# Altium PCB Copy of Hrafn425.PcbDoc (part 3 of 3)
Units mm, origin at the board's own origin, x right, y up, seen from the top; angles counter-clockwise.
Board outline 85 x 94.73 mm, 6 copper layers (Top Layer, Layer 1, Layer 3, Layer 4, Layer 2, Bottom Layer), stack 1.227 mm thick; 383 components, 228 nets, 1233 pads, 98 vias.
Unrouted connection lines stored in the file: 808.
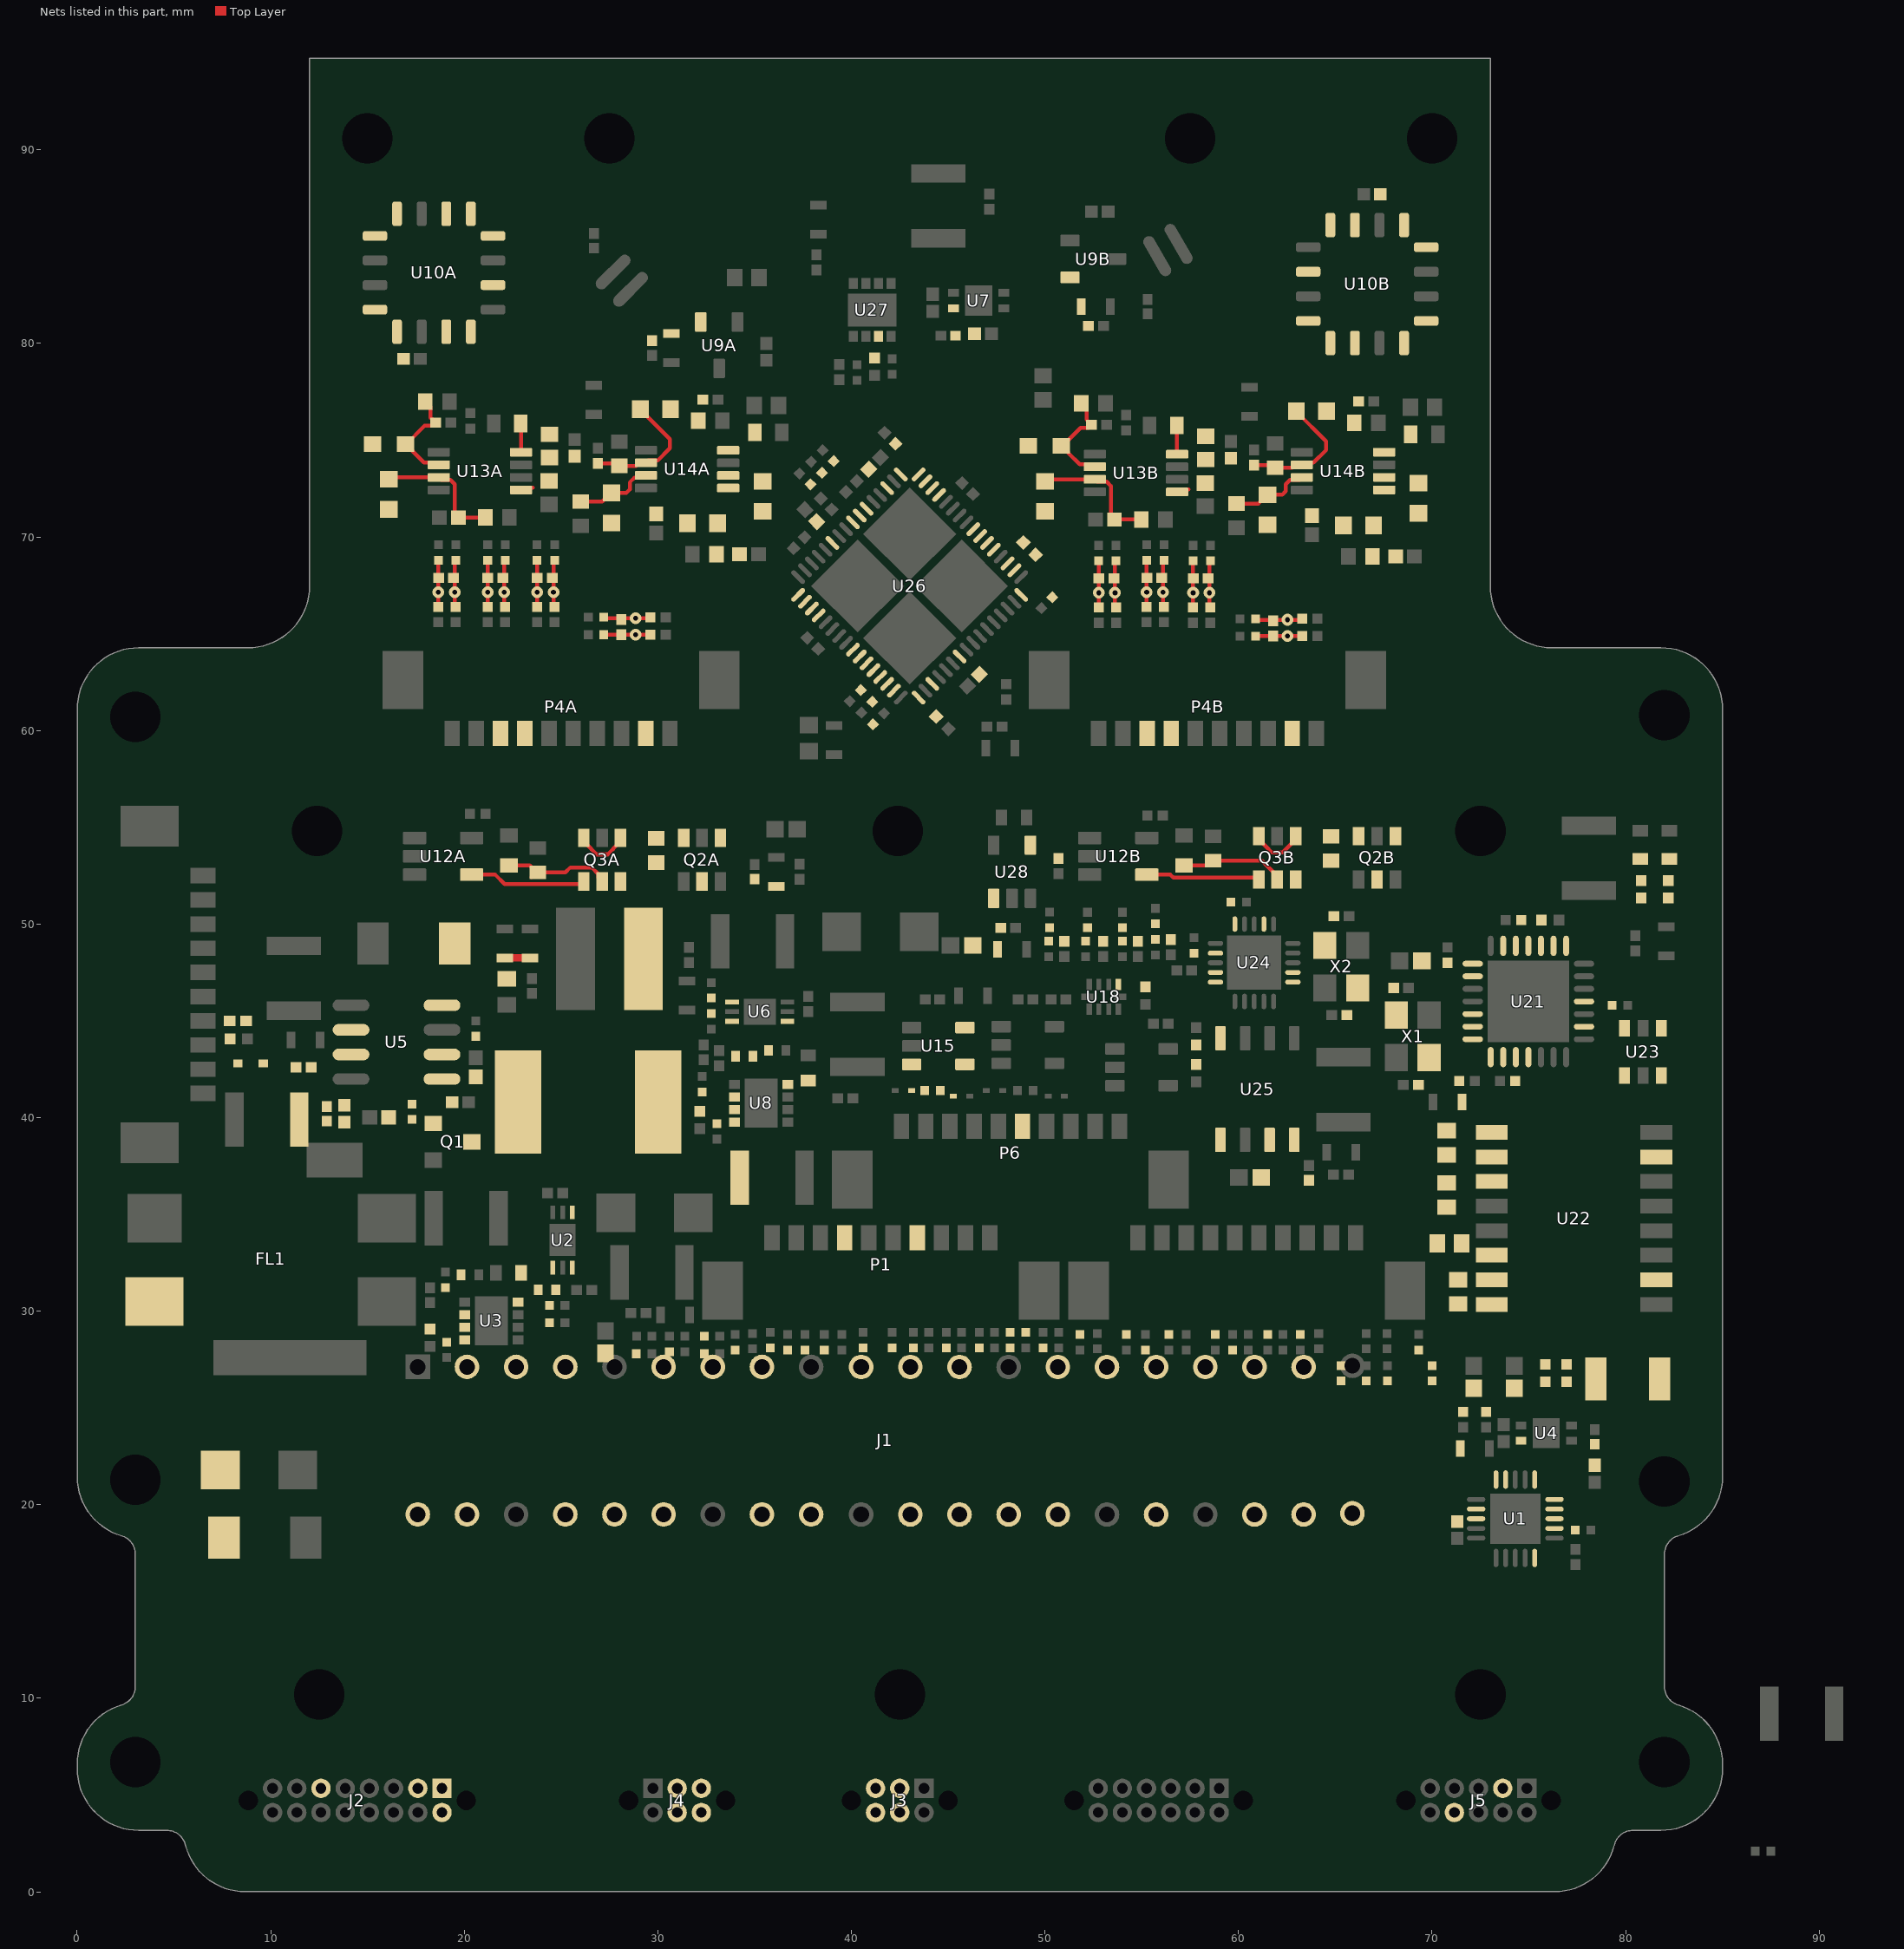
[diagram p5: the nets of this part, all layers, seen from the top]

## Via types
v1: diameter 0.61, hole 0.254, Top Layer to Bottom Layer, 38 vias
v2: diameter 0.6, hole 0.25, Top Layer to Bottom Layer, 36 vias
v3: diameter 0.5, hole 0.2, Top Layer to Bottom Layer, 24 vias

## Nets (pads, with @x,y where several pads share a name; then routed paths per layer and width w, separated by ;. In a path a pad name is that pad's centre, name@x,y a point inside that pad or via, vN(x,y) a via of type N, cw(c..) or ccw(c..) an arc to the next point about the centre after c; other vN are vias at no path point) (continued)
NetC10_2: C10.2 U1.7
NetC11_1: C11.1 U1.8
NetC19_1: C19.1 R63.2
NetC24_1: C24.1 D5.1 L1.1 U5.8
NetC24_2: C24.2 D4.1 U5.2
NetC25_1: C25.1 D4.2 L1.2 L2.1 R68.2 R76.1
NetC29_2: C29.2 Q1.3 R69.2 U5.5
NetC30_2: C30.2 R69.1
NetC31_1: C31.1 Q1.1 R77.2
NetC31_2: C31.2 R76.2
NetC32_2: C32.2 C36.2 FB4.2 U28.1
NetC42_2: C42.2 U28.4
NetC44A_1: C44A.1 Q2A.4 Q2A.6
NetC44B_1: C44B.1 Q2B.4 Q2B.6
NetC47A_1: C47A.1 R85A.1 R89A.2 U13A.2 | length 5.5
  Top Layer w0.203: R89A.2@16.96,74.8 R89A.2@17.01,74.8 ; R85A.1@17.985,77 18.258,76.727 18.258,76.162 18.342,76.078 18.342,76.058 18.5,75.9 C47A.1@18.52,75.9 18.362,75.742 17.952,75.742 R89A.2@17.01,74.8 ; U13A.2@18.685,73.725 18.562,73.848 17.912,73.848 17.308,74.452 17.308,74.502 R89A.2@17.01,74.8
NetC47B_1: C47B.1 R85B.1 R89B.2 U13B.2 | length 5.5
  Top Layer w0.203: R89B.2@50.85,74.7 R89B.2@50.9,74.7 ; R85B.1@51.875,76.9 52.148,76.627 52.148,76.062 52.232,75.978 52.232,75.958 52.39,75.8 C47B.1@52.41,75.8 52.252,75.642 51.842,75.642 R89B.2@50.9,74.7 ; U13B.2@52.575,73.625 52.452,73.748 51.802,73.748 51.198,74.352 51.198,74.402 R89B.2@50.9,74.7
NetC48A_1: C48A.1 R86A.1 R90A.2 U14A.6
NetC48B_1: C48B.1 R86B.1 R90B.2 U14B.6
NetC49A_1: C49A.1 R87A.1 R91A.2 U14A.2 | length 6.8
  Top Layer w0.203: C49A.1@26.91,73.81 27.875,73.81 R87A.1@28.01,73.675 28.885,73.675 29.035,73.825 U14A.2@29.385,73.825 29.508,73.948 29.989,73.948 30.626,74.586 30.626,75.05 29.1,76.576 R91A.2@29.1,76.603
NetC49B_1: C49B.1 R87B.1 R91B.2 U14B.2 | length 6.8
  Top Layer w0.203: C49B.1@60.8,73.71 61.765,73.71 R87B.1@61.9,73.575 62.775,73.575 62.925,73.725 U14B.2@63.275,73.725 63.398,73.848 63.879,73.848 64.516,74.486 64.516,74.95 62.99,76.476 R91B.2@62.99,76.503
NetC52A_2: C52A.2 R88A.1 R95A.2 U13A.5 | length 0.7
  Top Layer w0.203: U13A.5@22.935,72.425 23.058,72.548 23.539,72.548
NetC52B_2: C52B.2 R88B.1 R95B.2 U13B.5 | length 0.7
  Top Layer w0.203: U13B.5@56.825,72.325 56.948,72.448 57.429,72.448
NetC53A_2: C53A.2 R92A.2 R98A.2 U13A.3 | length 6.8
  Top Layer w0.203: R92A.2@16.11,72.977 16.208,73.075 U13A.3@18.685,73.075 18.808,72.952 19.289,72.952 19.514,72.726 19.514,71.186 C53A.2@19.7,71 R98A.2@21.085,71
NetC53B_2: C53B.2 R92B.2 R98B.2 U13B.3 | length 6.8
  Top Layer w0.203: R92B.2@50,72.877 50.098,72.975 U13B.3@52.575,72.975 52.698,72.852 53.179,72.852 53.404,72.626 53.404,71.086 C53B.2@53.59,70.9 R98B.2@54.975,70.9
NetC54A_2: C54A.2 R93A.2 R96A.2 U14A.5
NetC54B_2: C54B.2 R93B.2 R96B.2 U14B.5
NetC55A_2: C55A.2 R94A.2 R97A.2 U14A.3 | length 4.1
  Top Layer w0.203: R97A.2@26.01,71.825 27.132,71.825 27.583,72.277 R94A.2@27.61,72.277 28.371,72.277 28.552,72.458 28.552,72.823 28.781,73.052 29.262,73.052 U14A.3@29.385,73.175
NetC55B_2: C55B.2 R94B.2 R97B.2 U14B.3 | length 4.1
  Top Layer w0.203: R97B.2@59.9,71.725 61.022,71.725 61.473,72.177 R94B.2@61.5,72.177 62.261,72.177 62.442,72.358 62.442,72.723 62.671,72.952 63.152,72.952 U14B.3@63.275,73.075
NetC64_2: C64.2 C65.2 R102.2 | length 1.2
  Top Layer w0.381: C65.2@22.165,48.25 C64.2@23.4,48.25
NetC68_2: C68.2 U21.20 X1.1
NetC69_1: C69.1 U21.19 X1.3
NetC70_2: C70.2 FB5.1 R107.1 R109.2 U22.2
NetC71_1: C71.1 U21.25
NetC72_2: C72.2 C73.2 C75.2 C76.2 FB6.1 U21.11 U21.15 U21.16 U21.21 U21.24
NetC77_2: C77.2 FB7.1 R113.1 R114.2 U22.7
NetC81_1: C81.1 R115.1 R116.1
NetC82_1: C82.1 FB8.2 U25.3
NetC83_2: C83.2 U24.7 X2.1
NetC88_2: C88.2 U24.6 X2.3
NetC102_2: C102.2 U26.23
NetC103_2: C103.2 U26.51
NetC104_2: C104.2 U26.59
NetC105_2: C105.2 U26.49
NetC110A_1: C110A.1 C111A.2 R134A.2 U26.1 | length 2.5
  Top Layer w0.203: C111A.2@53.62,66.42 v1(53.62,67.115) 53.62,67.81 C110A.1@53.565,67.865 53.62,67.92 53.62,68.71 R134A.2@53.675,68.765
  Top Layer w0.254: C111A.2@53.62,66.42 C111A.2@53.675,66.365
NetC110A_2: C110A.2 C112A.2 R133A.2 U26.2 | length 2.4
  Top Layer w0.203: C112A.2@52.775,66.365 52.78,66.37 v1(52.78,67.115) 52.78,67.86 C110A.2@52.785,67.865 52.78,67.87 52.78,68.76 R133A.2@52.775,68.765
NetC110B_1: C110B.1 C111B.2 R134B.2 U26.3 | length 2.5
  Top Layer w0.203: C111B.2@56.095,66.445 v1(56.095,67.14) 56.095,67.835 C110B.1@56.04,67.89 56.095,67.945 56.095,68.735 R134B.2@56.15,68.79
  Top Layer w0.254: C111B.2@56.095,66.445 C111B.2@56.15,66.39
NetC110B_2: C110B.2 C112B.2 R133B.2 U26.4 | length 2.4
  Top Layer w0.203: C112B.2@55.25,66.39 55.255,66.395 v1(55.255,67.14) 55.255,67.885 C110B.2@55.26,67.89 55.255,67.896 55.255,68.785 R133B.2@55.25,68.79
NetC110C_1: C110C.1 C111C.2 R134C.2 U26.9 | length 2.5
  Top Layer w0.203: C111C.2@58.495,66.42 v1(58.495,67.115) 58.495,67.81 C110C.1@58.44,67.865 58.495,67.92 58.495,68.71 R134C.2@58.55,68.765
  Top Layer w0.254: C111C.2@58.495,66.42 C111C.2@58.55,66.365
NetC110C_2: C110C.2 C112C.2 R133C.2 U26.10 | length 2.4
  Top Layer w0.203: C112C.2@57.65,66.365 57.655,66.37 v1(57.655,67.115) 57.655,67.86 C110C.2@57.66,67.865 57.655,67.87 57.655,68.76 R133C.2@57.65,68.765
NetC110D_1: C110D.1 C111D.2 R134D.2 U26.11 | length 2.5
  Top Layer w0.203: R134D.2@60.884,65.775 60.939,65.72 61.729,65.72 C110D.1@61.784,65.665 61.839,65.72 v1(62.534,65.72) C111D.2@63.229,65.72
  Top Layer w0.254: C111D.2@63.229,65.72 C111D.2@63.284,65.775
NetC110D_2: C110D.2 C112D.2 R133D.2 U26.12 | length 2.4
  Top Layer w0.203: R133D.2@60.884,64.875 60.889,64.88 61.779,64.88 C110D.2@61.784,64.885 61.789,64.88 v1(62.534,64.88) 63.279,64.88 C112D.2@63.284,64.875
NetC110E_1: C110E.1 C111E.2 R134E.2 U26.48 | length 2.5
  Top Layer w0.203: C111E.2@19.504,66.445 v1(19.504,67.14) 19.504,67.835 C110E.1@19.449,67.89 19.504,67.945 19.504,68.735 R134E.2@19.559,68.79
  Top Layer w0.254: C111E.2@19.504,66.445 C111E.2@19.559,66.391
NetC110E_2: C110E.2 C112E.2 R133E.2 U26.47 | length 2.4
  Top Layer w0.203: C112E.2@18.659,66.391 18.664,66.395 v1(18.664,67.14) 18.664,67.885 C110E.2@18.669,67.89 18.664,67.896 18.664,68.785 R133E.2@18.659,68.79
NetC110F_1: C110F.1 C111F.2 R134F.2 U26.46 | length 2.5
  Top Layer w0.203: C111F.2@22.057,66.445 v1(22.057,67.14) 22.057,67.835 C110F.1@22.002,67.89 22.057,67.945 22.057,68.735 R134F.2@22.112,68.79
  Top Layer w0.254: C111F.2@22.057,66.445 C111F.2@22.112,66.391
NetC110F_2: C110F.2 C112F.2 R133F.2 U26.45 | length 2.4
  Top Layer w0.203: C112F.2@21.212,66.391 21.217,66.395 v1(21.217,67.14) 21.217,67.885 C110F.2@21.222,67.89 21.217,67.896 21.217,68.785 R133F.2@21.212,68.79
NetC110G_1: C110G.1 C111G.2 R134G.2 U26.40 | length 2.5
  Top Layer w0.203: C111G.2@24.609,66.445 v1(24.609,67.14) 24.609,67.835 C110G.1@24.554,67.89 24.609,67.945 24.609,68.735 R134G.2@24.664,68.79
  Top Layer w0.254: C111G.2@24.609,66.445 C111G.2@24.664,66.391
NetC110G_2: C110G.2 C112G.2 R133G.2 U26.39 | length 2.4
  Top Layer w0.203: C112G.2@23.764,66.391 23.769,66.395 v1(23.769,67.14) 23.769,67.885 C110G.2@23.774,67.89 23.769,67.896 23.769,68.785 R133G.2@23.764,68.79
NetC110H_1: C110H.1 C111H.2 R134H.2 U26.38 | length 2.5
  Top Layer w0.203: R134H.2@27.21,65.85 27.265,65.795 28.055,65.795 C110H.1@28.11,65.74 28.165,65.795 v1(28.86,65.795) C111H.2@29.555,65.795
  Top Layer w0.254: C111H.2@29.555,65.795 C111H.2@29.609,65.85
NetC110H_2: C110H.2 C112H.2 R133H.2 U26.37 | length 2.4
  Top Layer w0.203: R133H.2@27.21,64.95 27.215,64.955 28.104,64.955 C110H.2@28.11,64.96 28.115,64.955 v1(28.86,64.955) 29.605,64.955 C112H.2@29.609,64.95
NetD15_2: D15.2 R112.2
NetD16_2: D16.2 R111.2
NetFB2_2: FB2.2 J1.2 J1.4
NetJ1_3: J1.3 R1.2
NetJ1_5: J1.5 R2.2
NetJ1_7: J1.7 R3.2
NetJ1_8: J1.8 R4.1
NetJ1_10: J1.10 R5.1
NetJ1_11: J1.11 R6.2
NetJ1_12: J1.12 R7.1
NetJ1_13: J1.13 R8.2
NetJ1_15: J1.15 R9.2
NetJ1_16: J1.16 R10.1
NetJ1_18: J1.18 R11.1
NetJ1_19: J1.19 R12.2
NetJ1_21: J1.21 R13.2
NetJ1_22: J1.22 R14.1
NetJ1_23: J1.23 R15.2
NetJ1_24: J1.24 R16.1
NetJ1_26: J1.26 R17.1
NetJ1_27: J1.27 R18.2
NetJ1_28: J1.28 R19.1
NetJ1_29: J1.29 R20.2
NetJ1_31: J1.31 R21.2
NetJ1_32: J1.32 R22.1
NetJ1_33: J1.33 R23.2
NetJ1_35: J1.35 R24.2
NetJ1_36: J1.36 R25.1
NetJ1_37: J1.37 R26.2
NetJ1_38: J1.38 R27.1
NetJ1_40: J1.40 R28.1
NetQ3A_1: Q3A.1 Q3A.3 U12A.4 | length 6
  Top Layer w0.203: U12A.4@20.385,52.55 21.601,52.55 22.081,52.069 26.046,52.069 Q3A.1@26.173,52.197
NetQ3B_1: Q3B.1 Q3B.3 U12B.4 | length 5.9
  Top Layer w0.203: U12B.4@55.262,52.55 56.478,52.55 56.632,52.396 60.951,52.396 Q3B.1@61.05,52.297
NetR54_1: R54.1 U1.17
NetR55_1: R55.1 R56.1 U2.4
NetR57_1: R57.1 R60.1 U3.8
NetR57_2: R57.2 U2.6
NetR58_2: R58.2 U2.1
NetR61_2: R61.2 U3.4
NetR62_2: R62.2 U3.3
NetR64_1: R64.1 R65.1 U6.4
NetR67_2: R67.2 U5.6
NetR68_1: R68.1 R70.2 U5.3
NetR71_1: R71.1 R74.1 U8.8
NetR71_2: R71.2 U6.6
NetR72_2: R72.2 U6.1
NetR73_1: R73.1 U8.2
NetR78_2: R78.2 U8.4
NetR79_2: R79.2 U8.3
NetR83A_1: R83A.1 U13A.8 | length 1.5
  Top Layer w0.203: R83A.1@22.92,75.861 22.935,75.846 U13A.8@22.935,74.375
NetR83B_1: R83B.1 U13B.8 | length 1.5
  Top Layer w0.203: R83B.1@56.81,75.761 56.825,75.746 U13B.8@56.825,74.275
NetR84A_1: R84A.1 U14A.8
NetR84B_1: R84B.1 U14B.8
NetR101_1: R101.1 U18.6
NetR103_2: R103.2 U24.17
NetR106_2: R106.2 U21.2
NetR108_2: R108.2 U21.10
NetR111_1: R111.1 U21.23
NetR112_1: R112.1 U21.22
NetR115_2: R115.2 U22.10
NetR116_2: R116.2 U22.15
NetR117_1: R117.1 R118.2 U25.8
NetR119_2: R119.2 U24.15
NetR121_1: R121.1 U26.54
NetR122_1: R122.1 U26.55
NetR123_1: R123.1 U26.56
NetR124_1: R124.1 U26.13
NetR125_1: R125.1 U26.14
NetR126_1: R126.1 U26.15
NetR127_1: R127.1 U26.17
NetR128_1: R128.1 U26.35
NetR128_2: R128.2 U26.34
NetR129_2: R129.2 U26.32
NetR132_2: R132.2 U27.3
OUTAA_N: R89A.1 U10A.10
OUTAA_P: R92A.1 U10A.16
OUTAB_N: R89B.1 U10B.10
OUTAB_P: R92B.1 U10B.16
OUTBA_N: R90A.1 U10A.4
OUTBA_P: R93A.1 U10A.12
OUTBB_N: R90B.1 U10B.4
OUTBB_P: R93B.1 U10B.12
OUTCA_N: R91A.1 U10A.9
OUTCA_P: R94A.1 U10A.13
OUTCB_N: R91B.1 U10B.9
OUTCB_P: R94B.1 U10B.13
PGOOD_5V: R59.1 U3.2
PPS: P6.6 R25.2 U15.5
PPS_N: D8.1 J3.5 J4.5 R99.1 U15.4
PPS_P: D7.1 J3.4 J4.4 R99.2 U15.3
RESETA: P4A.8 Q3A.4 Q3A.6 U10A.8 | length 2.8
  Top Layer w0.203: Q3A.6@26.173,54.447 26.173,54.272 26.569,53.876 26.569,53.866 26.835,53.6 27.411,53.6 27.677,53.866 27.677,53.876 28.073,54.272 Q3A.4@28.073,54.447
RESETB: P4B.8 Q3B.4 Q3B.6 U10B.8 | length 2.8
  Top Layer w0.203: Q3B.6@61.05,54.547 61.05,54.372 61.446,53.976 61.446,53.966 61.712,53.7 62.288,53.7 62.554,53.966 62.554,53.976 62.95,54.372 Q3B.4@62.95,54.547
RX: U24.20 U25.4
SCLK0: P1.4 R15.1 R31.2 U21.4 U24.12
SCLK1: P1.7 R28.2 R34.2 U1.15 U26.19
SETA: C44A.2 P4A.7 U10A.3 U10A.6
SETB: C44B.2 P4B.7 U10B.3 U10B.6
SGND: C4.2 C81.2 D1.2 D2.2 FL1.3 J2.1 J2.2 J2.3 J2.11 J3.3 J3.6 J4.3 J4.6 J5.3 J5.8
TEMP_1: C22.2 R66.2 U1.4 U4.2
TEMP_2: C28.2 R75.2 U1.5 U7.2
TPIN_N: R114.1 U21.8 U22.8 U23.4
TPIN_P: R113.2 U21.9 U22.6 U23.6
TPOUT_N: R109.1 U21.12 U22.3 U23.1
TPOUT_P: R107.2 U21.13 U22.1 U23.3
TX: U24.19 U25.1
VBA: C41A.2 C45A.2 C61A.2 P4A.2 R88A.2 U9A.2 U10A.1
VBB: C41B.2 C45B.2 C61B.2 P4B.2 R88B.2 U9B.2 U10B.1
VMON_A3V3: C7.2 R47.1 R51.2 U1.18
VMON_A5V: C9.2 R49.1 R53.2 U1.20
VMON_D3V3: C6.2 R46.1 R50.2 U1.19
VMON_D5V: C8.2 R48.1 R52.2 U1.1
Vsr: C39A.1 C39B.1 Q2A.2 Q2B.2 Q3A.2 Q3B.2 R81A.1 R81B.1 | length 11.8
  Top Layer w0.203: C39A.1@22.31,53.025 23.385,53.025 R81A.1@23.735,52.675 ; Q3A.2@27.123,52.197 26.925,52.395 26.925,52.579 26.578,52.926 25.481,52.926 25.23,52.675 R81A.1@23.81,52.675 ; C39B.1@57.187,53.025 58.362,53.025 58.612,53.275 R81B.1@58.687,53.275 ; R81B.1@58.65,53.275 61.206,53.275 61.604,52.877 61.604,52.868 62,52.472 Q3B.2@62,52.297 ; R81A.1@23.735,52.675 R81A.1@23.81,52.675 ; R81A.1@23.735,52.675 R81A.1@23.81,52.675 ; R81A.1@23.735,52.675 23.485,52.425 R81A.1@23.735,52.675 ; R81A.1@23.735,52.675 R81A.1@23.81,52.675
pads on no net: J1.17 J2.0 J2.4 J2.5 J2.6 J2.7 J2.8 J2.12 J2.13 J2.14 J2.15 J2.16 J3.0 J4.0 J5.0 J5.4 J5.5 J5.9 J5.10 J6.0 J6.3 J6.4 J6.5 J6.6 J6.9 J6.10 J6.11 J6.12 P3.7 P6.3 R8.1 R18.1 R19.2 U1.12 U2.5 U3.6 U4.3 U4.4 U4.5 U6.5 U7.3 U7.4 U7.5 U8.6 U10A.2 U10A.7 U10A.15 U10B.2 U10B.7 U10B.15 U12A.1 U12B.1 U18.2 U18.4 U18.7 U21.1 U21.27 U22.4 U22.5 U22.12 U22.13 U24.1 U24.2 U24.3 U24.4 U24.5 U24.9 U24.10 U24.13 U25.5 U26.7 U26.8 U26.25 U26.26 U26.27 U26.28 U26.29 U26.41 U26.42 U26.57 U26.63 U26.64 U27.6

## Polygon pours and split planes (outlines as drawn)
no net on Polygon_holding "top_solder_thermal" (none, shelved): 0.006,6.351 0.006,6.606 cw(c3.181,6.606) 2.288,9.653 ccw(c2.006,10.612) 3.006,10.612 3.006,17.44 ccw(c2.006,17.44) 2.288,18.4 cw(c3.181,21.447) 0.006,21.447 0.006,61.101 cw(c3.181,61.101) 3.181,64.276 8.831,64.276 ccw(c8.831,67.451) 12.006,67.451 12.006,94.736 73.006,94.736 73.006,67.451 ccw(c76.181,67.451) 76.181,64.276 81.831,64.276 cw(c81.831,61.101) 85.006,61.101 85.006,21.447 cw(c81.831,21.447) 82.725,18.4 ccw(c83.006,17.44) 82.006,17.44 82.006,10.612 ccw(c83.006,10.612) 82.725,9.653 cw(c81.831,6.606) 85.006,6.606 85.006,6.351 cw(c81.831,6.351) 81.831,3.176 80.384,3.176 ccw(c80.384,2.176) 79.413,2.417 cw(c76.331,3.181) 76.331,0.006 8.681,0.006 cw(c8.681,3.181) 5.6,2.417 ccw(c4.629,2.176) 4.629,3.176 3.181,3.176 cw(c3.181,6.351)
no net on Top Solder "top_solder_pour" (solid, shelved): 0,6.345 0,6.6 cw(c3.175,6.6) 2.282,9.646 ccw(c2,10.606) 3,10.606 3,17.434 ccw(c2,17.434) 2.282,18.394 cw(c3.175,21.44) 0,21.44 0,61.095 cw(c3.175,61.095) 3.175,64.27 8.825,64.27 ccw(c8.825,67.445) 12,67.445 12,94.73 73,94.73 73,67.445 ccw(c76.175,67.445) 76.175,64.27 81.825,64.27 cw(c81.825,61.095) 85,61.095 85,21.44 cw(c81.825,21.44) 82.719,18.394 ccw(c83,17.434) 82,17.434 82,10.606 ccw(c83,10.606) 82.719,9.646 cw(c81.825,6.6) 85,6.6 85,6.345 cw(c81.825,6.345) 81.825,3.17 80.378,3.17 ccw(c80.378,2.17) 79.407,2.411 cw(c76.325,3.175) 76.325,0 8.675,0 cw(c8.675,3.175) 5.594,2.411 ccw(c4.623,2.17) 4.623,3.17 3.175,3.17 cw(c3.175,6.345)
no net on Layer 2 (split plane): 335 vertices, not listed, extent 0.515,0.515 84.498,94.226
no net on Layer 1 (split plane): 335 vertices, not listed, extent 0.515,0.515 84.498,94.226

## Silkscreen, mask and mechanical layers (free items; w line width, h text height)
Top Overlay:
  lines w0.203: 18.084,64.175 20.11,64.175 20.11,70.125 18.084,70.125 18.084,64.175 ; 20.637,64.175 20.637,70.125 22.662,70.125 22.662,64.175 20.637,64.175 ; 23.189,64.175 25.214,64.175 25.214,70.125 23.189,70.125 23.189,64.175 ; 25.875,64.375 31.825,64.375 31.825,66.4 25.875,66.4 25.875,64.375 ; 52.2,64.149 52.2,70.1 54.225,70.1 54.225,64.149 52.2,64.149 ; 54.675,64.175 56.7,64.175 56.7,70.125 54.675,70.125 54.675,64.175 ; 57.075,64.149 57.075,70.1 59.1,70.1 59.1,64.149 57.075,64.149 ; 59.549,64.3 59.549,66.325 65.5,66.325 65.5,64.3 59.549,64.3
  text "E" at 18.262,65.048 h0.76 r270
  text "F" at 20.814,65.048 h0.76 r270
  text "G" at 23.367,65.048 h0.76 r270
  text "B" at 54.852,65.048 h0.76 r270
  text "A" at 52.378,65.022 h0.76 r270
  text "C" at 57.252,65.022 h0.76 r270
  text "H" at 30.952,64.552 h0.76
  text "D" at 64.627,64.478 h0.76
Top Solder:
  pour cut-out: 2,24.768 2.625,24.768 cw(c2.625,21.593) 5.8,21.593 5.8,15.808 79.2,15.808 79.2,21.593 cw(c82.375,21.593) 82.375,24.768 83,24.768 83,56.311 76,56.311 76,51.311 69,51.311 69,56.311 46,56.311 46,51.311 39,51.311 39,56.311 16,56.311 16,51.311 9,51.311 9,56.311 2,56.311
  pour cut-out: 14,58.3 14,88.16 15.46,88.16 ccw(c15.46,91.335) 18.5,90.42 24,90.42 24,87.16 31,87.16 31,90.42 54,90.42 54,87.16 61,87.16 61,90.42 66.5,90.42 ccw(c69.54,91.335) 69.54,88.16 71,88.16 71,58.3
  pour cut-out: 7,2.055 7,7.745 78,7.745 78,2.055
Board:
  lines w0.013: 82.381,24.733 83.006,24.733 ; 0.006,6.351 ccw(c3.181,6.351) 3.181,3.176 4.629,3.176 cw(c4.629,2.176) 5.6,2.417 ccw(c8.681,3.181) 8.681,0.006 76.331,0.006 ccw(c76.331,3.181) 79.413,2.417 cw(c80.384,2.176) 80.384,3.176 81.831,3.176 ccw(c81.831,6.351) 85.006,6.351 85.006,6.606 ccw(c81.831,6.606) 82.725,9.653 cw(c83.006,10.612) 82.006,10.612 82.006,17.44 cw(c83.006,17.44) 82.725,18.4 ccw(c81.831,21.447) 85.006,21.447 85.006,61.101 ccw(c81.831,61.101) 81.831,64.276 76.181,64.276 cw(c76.181,67.451) 73.006,67.451 73.006,94.736 12.006,94.736 12.006,67.451 cw(c8.831,67.451) 8.831,64.276 3.181,64.276 ccw(c3.181,61.101) 0.006,61.101 0.006,21.447 ccw(c3.181,21.447) 2.288,18.4 cw(c2.006,17.44) 3.006,17.44 3.006,10.612 cw(c2.006,10.612) 2.288,9.653 ccw(c3.181,6.606) 0.006,6.606 0.006,6.351
Vector_holding:
  circle w0.013: c3.006,6.726 r1.275
  circle w0.013: c82.006,21.236 r1.275
  circle w0.013: c82.006,6.726 r1.275
  circle w0.013: c82.006,60.736 r1.275
  circle w0.013: c15.006,90.636 r1.275
  circle w0.013: c27.506,90.636 r1.275
  circle w0.013: c57.506,90.636 r1.275
  circle w0.013: c70.006,90.636 r1.275
  circle w0.013: c72.506,54.776 r1.275
  circle w0.013: c42.506,54.776 r1.275
  circle w0.013: c12.506,54.776 r1.275
  circle w0.013: c3.006,60.736 r1.275
  circle w0.013: c3.006,21.236 r1.275
  circle w0.013: c72.456,10.223 r1.15
  circle w0.013: c42.456,10.223 r1.15
  circle w0.013: c12.456,10.223 r1.15
  lines w0.013: 82.381,24.733 ccw(c82.381,21.558) 79.206,21.558 79.206,15.773 5.806,15.773 5.806,21.558 ccw(c2.631,21.558) 2.631,24.733 2.006,24.733 2.006,56.276 9.006,56.276 9.006,51.276 16.006,51.276 16.006,56.276 39.006,56.276 39.006,51.276 46.006,51.276 46.006,56.276 69.006,56.276 69.006,51.276 76.006,51.276 76.006,56.276 83.006,56.276 83.006,24.733 ; 7.006,2.006 78.006,2.006 78.006,7.696 7.006,7.696 7.006,2.006 ; 8.206,2.996 ccw(c8.906,2.996) 8.906,2.296 20.056,2.296 ccw(c20.056,2.996) 20.756,2.996 20.756,6.496 ccw(c20.056,6.496) 20.056,7.196 8.906,7.196 ccw(c8.906,6.496) 8.206,6.496 8.206,2.996 ; 14.006,58.276 71.006,58.276 71.006,88.136 69.547,88.136 cw(c69.547,91.311) 66.506,90.396 61.006,90.396 61.006,87.136 54.006,87.136 54.006,90.396 31.006,90.396 31.006,87.136 24.006,87.136 24.006,90.396 18.506,90.396 cw(c15.466,91.311) 15.466,88.136 14.006,88.136 14.006,58.276 ; 27.806,2.996 ccw(c28.506,2.996) 28.506,2.296 33.406,2.296 ccw(c33.406,2.996) 34.106,2.996 34.106,6.496 ccw(c33.406,6.496) 33.406,7.196 28.506,7.196 ccw(c28.506,6.496) 27.806,6.496 27.806,2.996 ; 39.306,2.996 ccw(c40.006,2.996) 40.006,2.296 44.906,2.296 ccw(c44.906,2.996) 45.606,2.996 45.606,6.496 ccw(c44.906,6.496) 44.906,7.196 40.006,7.196 ccw(c40.006,6.496) 39.306,6.496 39.306,2.996 ; 50.806,2.996 ccw(c51.506,2.996) 51.506,2.296 60.156,2.296 ccw(c60.156,2.996) 60.856,2.996 60.856,6.496 ccw(c60.156,6.496) 60.156,7.196 51.506,7.196 ccw(c51.506,6.496) 50.806,6.496 50.806,2.996 ; 68.006,2.996 ccw(c68.706,2.996) 68.706,2.296 76.106,2.296 ccw(c76.106,2.996) 76.806,2.996 76.806,6.496 ccw(c76.106,6.496) 76.106,7.196 68.706,7.196 ccw(c68.706,6.496) 68.006,6.496 68.006,2.996
Polygon_holding:
  pour cut-out: 14.006,58.276 14.006,88.136 15.466,88.136 ccw(c15.466,91.311) 18.506,90.396 24.006,90.396 24.006,87.136 31.006,87.136 31.006,90.396 54.006,90.396 54.006,87.136 61.006,87.136 61.006,90.396 66.506,90.396 ccw(c69.547,91.311) 69.547,88.136 71.006,88.136 71.006,58.276
  pour cut-out: 2.006,24.733 2.631,24.733 cw(c2.631,21.558) 5.806,21.558 5.806,15.773 79.206,15.773 79.206,21.558 cw(c82.381,21.558) 82.381,24.733 83.006,24.733 83.006,56.276 76.006,56.276 76.006,51.276 69.006,51.276 69.006,56.276 46.006,56.276 46.006,51.276 39.006,51.276 39.006,56.276 16.006,56.276 16.006,51.276 9.006,51.276 9.006,56.276 2.006,56.276
  pour cut-out: 7.006,2.006 7.006,7.696 78.006,7.696 78.006,2.006

## Text inside footprints (layer, text, board x,y; h text height)
J1: Top Overlay "screw / keepout" at 13.875,19.9 h0.89 r90; Top Overlay "screw / keepout" at 70.4,19.925 h0.89 r90
U10A: Top Overlay "x" at 24.023,82.632 h1.52 r90; Top Overlay "A" at 23.896,85.68 h0.76 r90; Top Overlay "B" at 25.547,83.775 h0.76 r90; Top Overlay "C" at 24.023,81.616 h0.76 r90
U10B: Top Overlay "C" at 61.06,85.097 h0.76 r270; Top Overlay "B" at 59.536,82.938 h0.76 r270; Top Overlay "A" at 61.187,81.033 h0.76 r270; Top Overlay "x" at 61.06,84.081 h1.52 r270